# KiCad board sswkbd_left.kicad_pcb
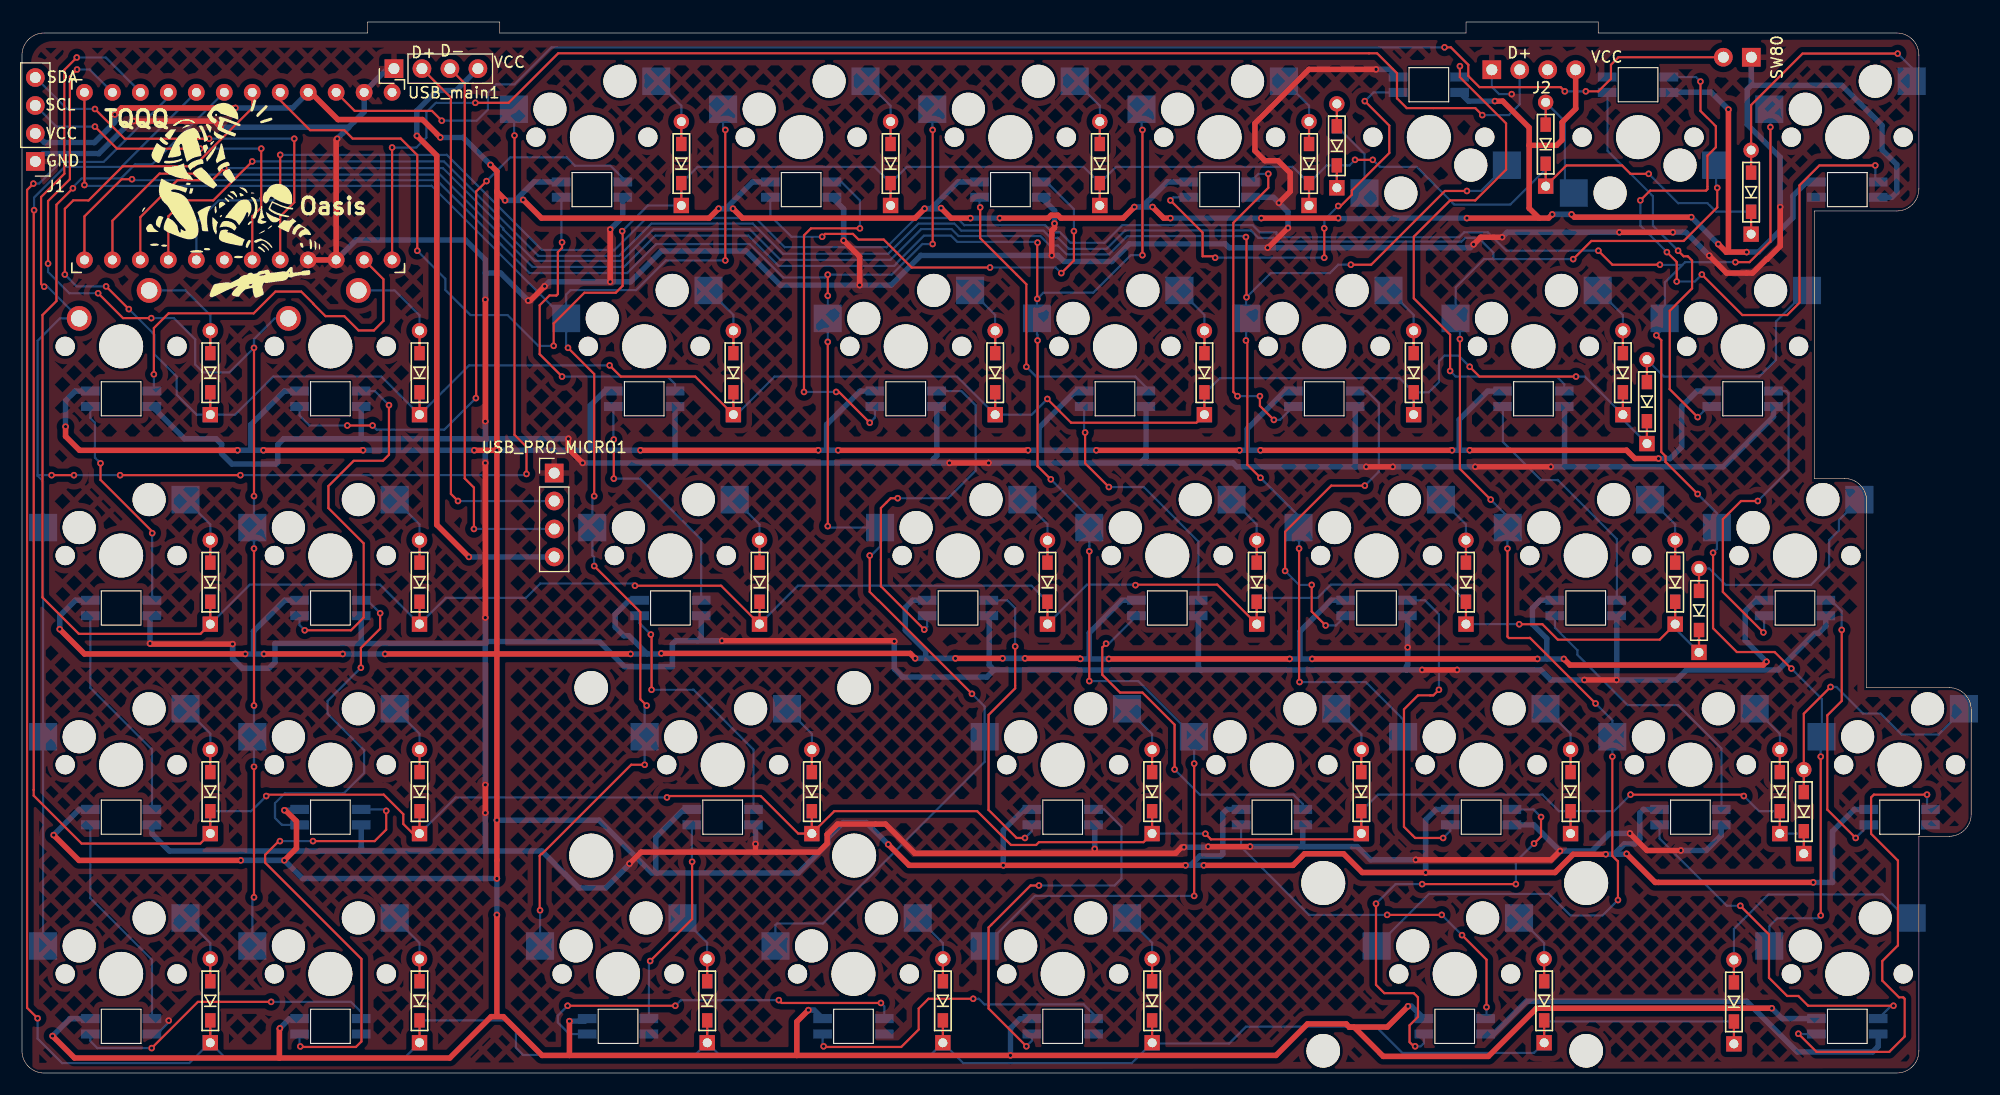
[diagram p0: board, top side]
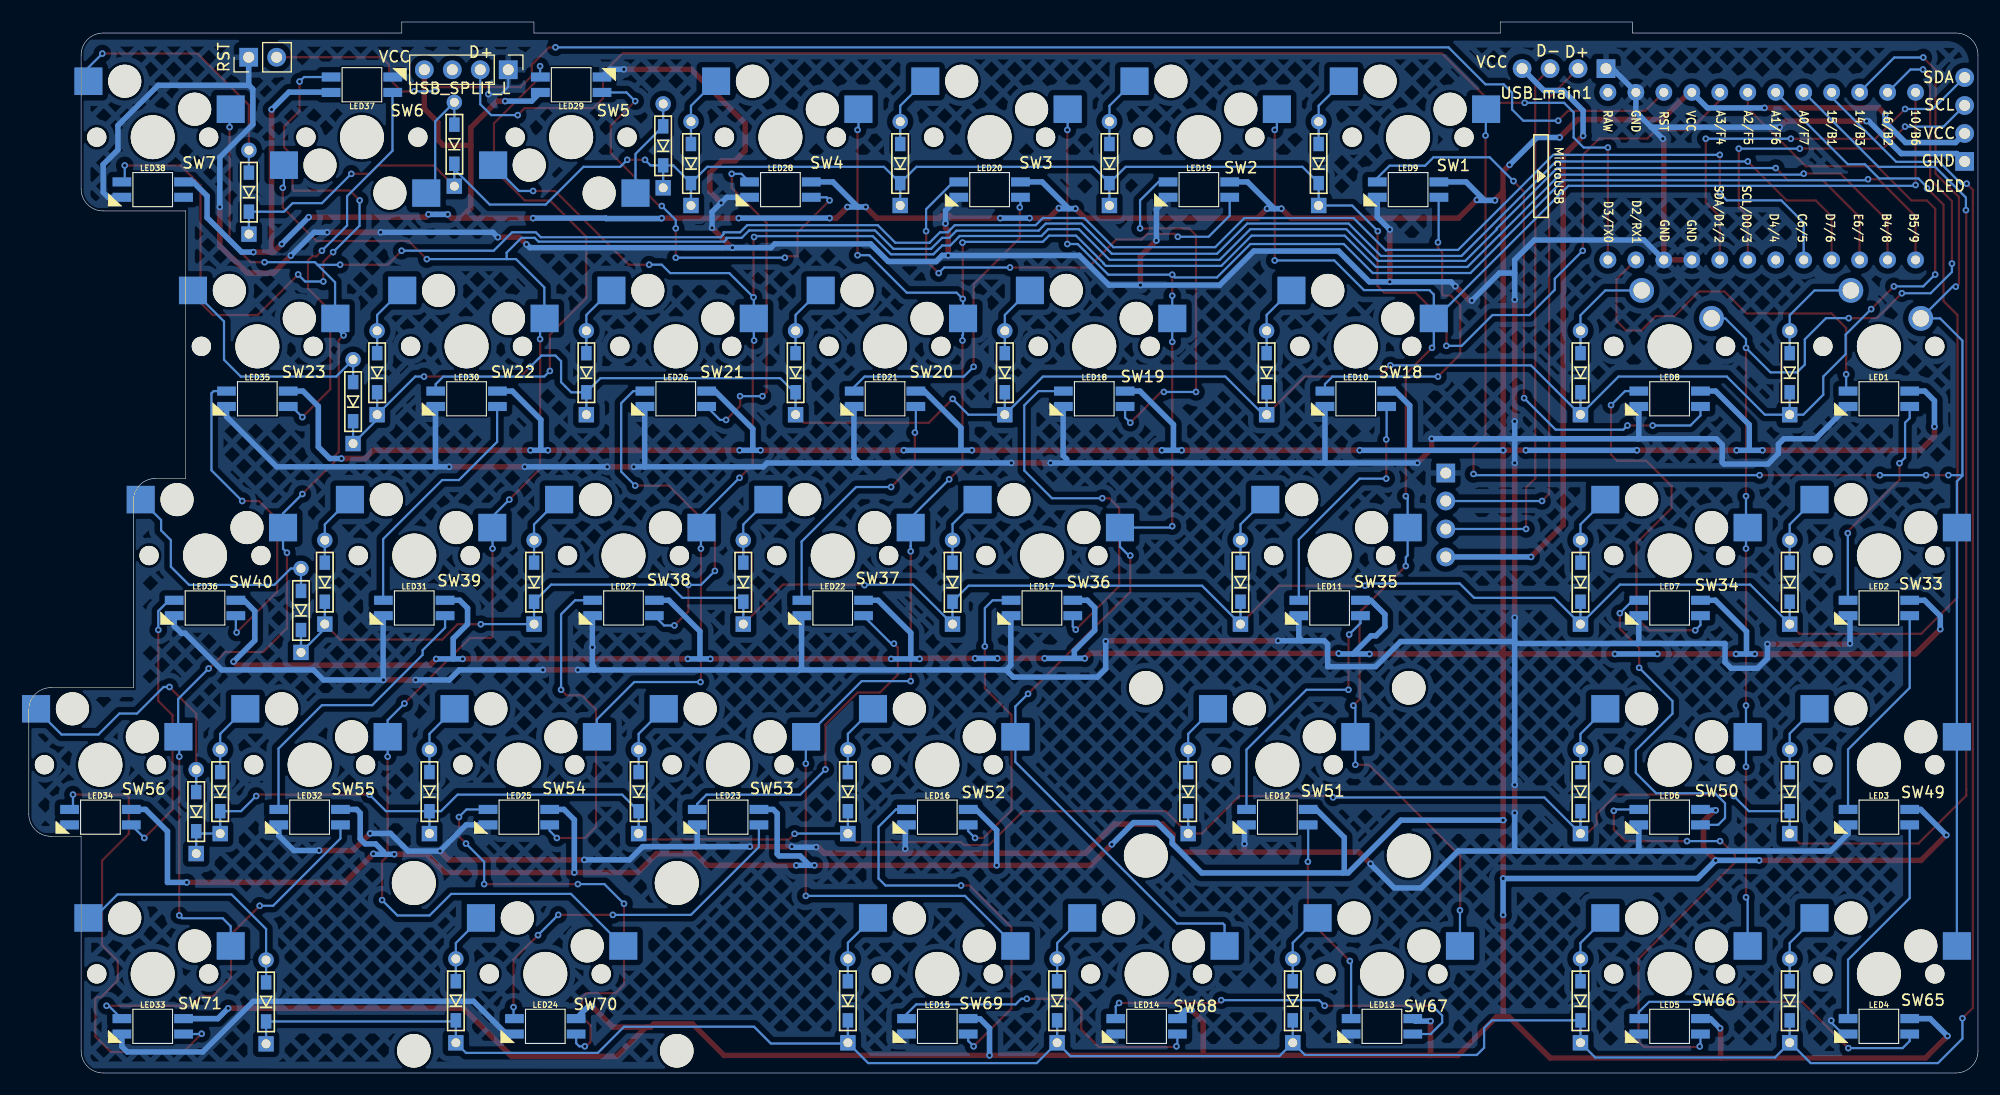
[diagram p1: board, bottom side, seen from below]

Outline 177 x 95.46 mm; copper layers: Top, Bottom. Coordinates in mm from the lower left corner of the outline.
Outline path: 0,92.46 arc(0.59,93.87) 2,94.46 31.38,94.46 31.38,95.46 43.38,95.46 43.38,94.46 131.13,94.46 131.13,95.46 143.13,95.46 143.13,94.46 170.25,94.46 arc(171.66,93.87) 172.25,92.46 172.25,80.3 arc(171.66,78.89) 170.25,78.3 162.75,78.3 162.75,54 165.5,54 arc(166.91,53.41) 167.5,52 167.5,35 175,35 arc(176.41,34.41) 177,33 177,23.5 arc(176.41,22.09) 175,21.5 172.25,21.5 172.25,2 arc(171.66,0.59) 170.25,0 2,0 arc(0.59,0.59) 0,2 0,92.46
Stack: Top 0.035mm / dielectric 1.51mm FR4 er 4.5 / Bottom 0.035mm

## Placement (name value [footprint] x y rotation side)
D1  1N4148WT  [D3_TH_SMD]  59.87 82.61 90 top
D2  1N4148WT  [D3_TH_SMD]  78.87 82.61 90 top
D3  1N4148WT  [D3_TH_SMD]  97.87 82.61 90 top
D4  1N4148WT  [D3_TH_SMD]  116.87 82.61 90 top
D5  1N4148WT  [D3_TH_SMD]  119.4 84.21 90 top
D6  1N4148WT  [D3_TH_SMD]  138.36 84.36 90 top
D7  1N4148WT  [D3_TH_SMD]  157.01 80 90 top
D16  1N4148WT  [D3_TH_SMD]  17.1 63.61 90 top
D17  1N4148WT  [D3_TH_SMD]  36.1 63.61 90 top
D18  1N4148WT  [D3_TH_SMD]  64.6 63.61 90 top
D19  1N4148WT  [D3_TH_SMD]  88.37 63.61 90 top
D20  1N4148WT  [D3_TH_SMD]  107.37 63.61 90 top
D21  1N4148WT  [D3_TH_SMD]  126.37 63.61 90 top
D22  1N4148WT  [D3_TH_SMD]  145.37 63.61 90 top
D23  1N4148WT  [D3_TH_SMD]  147.55 60.98 90 top
D33  1N4148WT  [D3_TH_SMD]  17.1 44.58 90 top
D34  1N4148WT  [D3_TH_SMD]  36.1 44.58 90 top
D35  1N4148WT  [D3_TH_SMD]  66.97 44.58 90 top
D36  1N4148WT  [D3_TH_SMD]  93.12 44.58 90 top
D37  1N4148WT  [D3_TH_SMD]  112.12 44.58 90 top
D38  1N4148WT  [D3_TH_SMD]  131.12 44.58 90 top
D39  1N4148WT  [D3_TH_SMD]  150.12 44.58 90 top
D40  1N4148WT  [D3_TH_SMD]  152.28 42.01 90 top
D49  1N4148WT  [D3_TH_SMD]  17.1 25.56 90 top
D50  1N4148WT  [D3_TH_SMD]  36.1 25.56 90 top
D51  1N4148WT  [D3_TH_SMD]  71.72 25.56 90 top
D52  1N4148WT  [D3_TH_SMD]  102.62 25.56 90 top
D53  1N4148WT  [D3_TH_SMD]  121.62 25.56 90 top
D54  1N4148WT  [D3_TH_SMD]  140.62 25.56 90 top
D55  1N4148WT  [D3_TH_SMD]  159.62 25.56 90 top
D56  1N4148WT  [D3_TH_SMD]  161.8 23.74 90 top
D65  1N4148WT  [D3_TH_SMD]  17.1 6.56 90 top
D66  1N4148WT  [D3_TH_SMD]  36.1 6.56 90 bottom
D67  1N4148WT  [D3_TH_SMD]  62.22 6.56 90 top
D68  1N4148WT  [D3_TH_SMD]  83.62 6.56 90 top
D69  1N4148WT  [D3_TH_SMD]  102.62 6.56 90 top
D70  1N4148WT  [D3_TH_SMD]  138.22 6.56 90 top
D71  1N4148WT  [D3_TH_SMD]  155.45 6.45 90 top
J1  Conn_01x04_Socket  [PinHeader_1x04_P2.54mm_Vertical]  1.21 82.8 180 top
J2  USB_SPLIT  [PinHeader_1x04_P2.54mm_Vertical]  133.47 91.12 90 top
LED1  YS-SK6812MINI-E  [SK6812MINI-E]  9 61.24 180 bottom
LED2  YS-SK6812MINI-E  [SK6812MINI-E]  9 42.24 180 bottom
LED3  YS-SK6812MINI-E  [SK6812MINI-E]  9 23.24 180 bottom
LED4  YS-SK6812MINI-E  [SK6812MINI-E]  9 4.24 180 bottom
LED5  YS-SK6812MINI-E  [SK6812MINI-E]  28 4.24 180 bottom
LED6  YS-SK6812MINI-E  [SK6812MINI-E]  28 23.24 180 bottom
LED7  YS-SK6812MINI-E  [SK6812MINI-E]  28 42.24 180 bottom
LED8  YS-SK6812MINI-E  [SK6812MINI-E]  28 61.24 180 bottom
LED9  YS-SK6812MINI-E  [SK6812MINI-E]  51.75 80.24 180 bottom
LED10  YS-SK6812MINI-E  [SK6812MINI-E]  56.5 61.24 180 bottom
LED11  YS-SK6812MINI-E  [SK6812MINI-E]  58.88 42.24 180 bottom
LED12  YS-SK6812MINI-E  [SK6812MINI-E]  63.63 23.24 180 bottom
LED13  YS-SK6812MINI-E  [SK6812MINI-E]  54.13 4.24 180 bottom
LED14  YS-SK6812MINI-E  [SK6812MINI-E]  75.5 4.24 180 bottom
LED15  YS-SK6812MINI-E  [SK6812MINI-E]  94.5 4.24 180 bottom
LED16  YS-SK6812MINI-E  [SK6812MINI-E]  94.5 23.24 180 bottom
LED17  YS-SK6812MINI-E  [SK6812MINI-E]  85 42.24 180 bottom
LED18  YS-SK6812MINI-E  [SK6812MINI-E]  80.25 61.24 180 bottom
LED19  YS-SK6812MINI-E  [SK6812MINI-E]  70.75 80.24 180 bottom
LED20  YS-SK6812MINI-E  [SK6812MINI-E]  89.75 80.24 180 bottom
LED21  YS-SK6812MINI-E  [SK6812MINI-E]  99.25 61.24 180 bottom
LED22  YS-SK6812MINI-E  [SK6812MINI-E]  104 42.24 180 bottom
LED23  YS-SK6812MINI-E  [SK6812MINI-E]  113.5 23.24 180 bottom
LED24  YS-SK6812MINI-E  [SK6812MINI-E]  130.1 4.24 180 bottom
LED25  YS-SK6812MINI-E  [SK6812MINI-E]  132.5 23.24 180 bottom
LED26  YS-SK6812MINI-E  [SK6812MINI-E]  118.25 61.24 180 bottom
LED27  YS-SK6812MINI-E  [SK6812MINI-E]  123 42.24 180 bottom
LED28  YS-SK6812MINI-E  [SK6812MINI-E]  108.75 80.24 180 bottom
LED29  YS-SK6812MINI-E  [SK6812MINI-E]  127.75 89.76 0 bottom
LED30  YS-SK6812MINI-E  [SK6812MINI-E]  137.25 61.24 180 bottom
LED31  YS-SK6812MINI-E  [SK6812MINI-E]  142 42.24 180 bottom
LED32  YS-SK6812MINI-E  [SK6812MINI-E]  151.5 23.24 180 bottom
LED33  YS-SK6812MINI-E  [SK6812MINI-E]  165.75 4.24 180 bottom
LED34  YS-SK6812MINI-E  [SK6812MINI-E]  170.5 23.24 180 bottom
LED35  YS-SK6812MINI-E  [SK6812MINI-E]  156.25 61.24 180 bottom
LED36  YS-SK6812MINI-E  [SK6812MINI-E]  161 42.24 180 bottom
LED37  YS-SK6812MINI-E  [SK6812MINI-E]  146.75 89.76 0 bottom
LED38  YS-SK6812MINI-E  [SK6812MINI-E]  165.75 80.24 180 bottom
SW1  SW_PUSH  [MXOnly-1U-Hotswap]  51.75 85 0 top
SW2  SW_PUSH  [MXOnly-1U-Hotswap]  70.75 85 0 top
SW3  SW_PUSH  [MXOnly-1U-Hotswap]  89.75 85 0 top
SW4  SW_PUSH  [MXOnly-1U-Hotswap]  108.75 85 0 top
SW5  SW_PUSH  [MXOnly-1U-Hotswap]  127.75 85 180 top
SW6  SW_PUSH  [MXOnly-1U-Hotswap]  146.75 85 180 top
SW7  SW_PUSH  [MXOnly-1U-Hotswap]  165.75 85 0 top
SW16  SW_PUSH  [MXOnly-1U-NoLED]  9 66 0 top
SW17  SW_PUSH  [MXOnly-1U-NoLED]  28 66 0 top
SW18  SW_PUSH  [MXOnly-1.5U-Hotswap]  56.5 66 0 top
SW19  SW_PUSH  [MXOnly-1U-Hotswap]  80.25 66 0 top
SW20  SW_PUSH  [MXOnly-1U-Hotswap]  99.25 66 0 top
SW21  SW_PUSH  [MXOnly-1U-Hotswap]  118.25 66 0 top
SW22  SW_PUSH  [MXOnly-1U-Hotswap]  137.25 66 0 top
SW23  SW_PUSH  [MXOnly-1U-Hotswap]  156.25 66 0 top
SW33  SW_PUSH  [MXOnly-1U-Hotswap]  9 47 0 top
SW34  SW_PUSH  [MXOnly-1U-Hotswap]  28 47 0 top
SW35  SW_PUSH  [MXOnly-1.75U-Hotswap]  58.88 47 0 top
SW36  SW_PUSH  [MXOnly-1U-Hotswap]  85 47 0 top
SW37  SW_PUSH  [MXOnly-1U-Hotswap]  104 47 0 top
SW38  SW_PUSH  [MXOnly-1U-Hotswap]  123 47 0 top
SW39  SW_PUSH  [MXOnly-1U-Hotswap]  142 47 0 top
SW40  SW_PUSH  [MXOnly-1U-Hotswap]  161 47 0 top
SW49  SW_PUSH  [MXOnly-1U-Hotswap]  9 28 0 top
SW50  SW_PUSH  [MXOnly-1U-Hotswap]  28 28 0 top
SW51  SW_PUSH  [MXOnly-2.25U-Hotswap]  63.63 28 0 top
SW52  SW_PUSH  [MXOnly-1U-Hotswap]  94.5 28 0 top
SW53  SW_PUSH  [MXOnly-1U-Hotswap]  113.5 28 0 top
SW54  SW_PUSH  [MXOnly-1U-Hotswap]  132.5 28 0 top
SW55  SW_PUSH  [MXOnly-1U-Hotswap]  151.5 28 0 top
SW56  SW_PUSH  [MXOnly-1U-Hotswap]  170.5 28 0 top
SW65  SW_PUSH  [MXOnly-1U-Hotswap]  9 9 0 top
SW66  SW_PUSH  [MXOnly-1U-Hotswap]  28 9 0 top
SW67  SW_PUSH  [MXOnly-1U-Hotswap]  54.13 9 0 top
SW68  SW_PUSH  [MXOnly-1U-Hotswap]  75.5 9 0 top
SW69  SW_PUSH  [MXOnly-1U-Hotswap]  94.5 9 0 top
SW70  SW_PUSH  [MXOnly-2.75U-Hotswap-ReversedStabilizers]  130.1 9 0 top
SW71  SW_PUSH  [MXOnly-1U-Hotswap]  165.75 9 0 top
SW80  SW_Push  [PinHeader_1x02_P2.54mm_Vertical]  157.03 92.26 270 top
TQQQ  -  [LOGO]  18.81 80.83 0 top
U1  -  [ProMicro]  19.13 81.46 270 top
USB_main1  Conn_01x04_Socket  [PinHeader_1x04_P2.54mm_Vertical]  33.78 91.22 90 top
USB_PRO_MICRO1  Conn_01x04_Socket  [PinHeader_1x04_P2.54mm_Vertical]  48.33 54.49 0 top

## Library data of the parts
D1-D7 D16-D23 D33-D40 D49-D56 D65-D71 = -: Datasheet: https://www.diodes.com/assets/Datasheets/ds30396.pdf; Description: 75V 0.15A Fast switching Diode, SOD-523; Sim.Device: D; Sim.Pins: 1=K 2=A; ki_fp_filters: D*SOD?523*
J1 J2 USB_main1 USB_PRO_MICRO1 = -: Description: Generic connector, single row, 01x04, script generated; ki_fp_filters: Connector*:*_1x??_*
SW80 = -: Description: Push button switch, generic, two pins

## Footprints (pads in the part's own frame, mm; a bottom-side part is the same pattern mirrored in y, then rotated)
D3_TH_SMD
  rect 1.397x1.397 hole 0.813: 1(-3.81,0)
  rect 1.3x0.95 smd: 1(-1.775,0) 2(1.775,0)
  rect 1.3x0.95 smd far side: 1(-1.775,0) 2(1.775,0)
  round 1.397 hole 0.813: 2(3.81,0)
MXOnly-1.5U-Hotswap
  round 1.75 hole 1.75 unplated: (-5.08,0) (5.08,0)
  round 3 hole 3 unplated: (-3.81,2.54) (2.54,5.08)
  round 3.988 hole 3.988 unplated: (0,0)
  rect 2.55x2.5 smd far side: 1(-7.085,2.54) 2(5.842,5.08)
MXOnly-1.75U-Hotswap
  round 1.75 hole 1.75 unplated: (-5.08,0) (5.08,0)
  round 3 hole 3 unplated: (-3.81,2.54) (2.54,5.08)
  round 3.988 hole 3.988 unplated: (0,0)
  rect 2.55x2.5 smd far side: 1(-7.085,2.54) 2(5.842,5.08)
MXOnly-1U-Hotswap
  round 1.75 hole 1.75 unplated: (-5.08,0) (5.08,0)
  round 3 hole 3 unplated: (-3.81,2.54) (2.54,5.08)
  round 3.988 hole 3.988 unplated: (0,0)
  rect 2.55x2.5 smd far side: 1(-7.085,2.54) 2(5.842,5.08)
MXOnly-1U-NoLED
  round 1.75 hole 1.75 unplated: (-5.08,0) (5.08,0)
  round 3.988 hole 3.988 unplated: (0,0)
  round 2.25 hole 1.5: 1(-3.81,2.54) 2(2.54,5.08)
MXOnly-2.25U-Hotswap
  round 3.048 hole 3.048 unplated: (-11.938,6.985) (11.938,6.985)
  round 3.988 hole 3.988 unplated: (-11.938,-8.255) (0,0) (11.938,-8.255)
  round 1.75 hole 1.75 unplated: (-5.08,0) (5.08,0)
  round 3 hole 3 unplated: (-3.81,2.54) (2.54,5.08)
  rect 2.55x2.5 smd far side: 1(-7.085,2.54) 2(5.842,5.08)
MXOnly-2.75U-Hotswap-ReversedStabilizers
  round 3.988 hole 3.988 unplated: (-11.938,8.255) (0,0) (11.938,8.255)
  round 3.048 hole 3.048 unplated: (-11.938,-6.985) (11.938,-6.985)
  round 1.75 hole 1.75 unplated: (-5.08,0) (5.08,0)
  round 3 hole 3 unplated: (-3.81,2.54) (2.54,5.08)
  rect 2.55x2.5 smd far side: 1(-7.085,2.54) 2(5.842,5.08)
PinHeader_1x02_P2.54mm_Vertical
  rect 1.7x1.7 hole 1: 1(0,0)
  oval 1.7x1.7 hole 1: 2(0,-2.54)
PinHeader_1x04_P2.54mm_Vertical
  rect 1.7x1.7 hole 1: 1(0,0)
  oval 1.7x1.7 hole 1: 2(0,-2.54) 3(0,-5.08) 4(0,-7.62)
ProMicro
  round 1.524 hole 0.813: 1(7.611,14.478) 2(7.611,11.938) 3(7.611,9.398) 4(7.611,6.858) 5(7.611,4.318) 6(7.611,1.778) 7(7.611,-0.762) 8(7.611,-3.302) 9(7.611,-5.842) 10(7.611,-8.382) 11(7.611,-10.922) 12(7.611,-13.462) 13(-7.609,-13.462) 14(-7.609,-10.922) 15(-7.609,-8.382) 16(-7.609,-5.842) 17(-7.609,-3.302) 18(-7.609,-0.762) 19(-7.609,1.778) 20(-7.609,4.318) 21(-7.609,6.858) 22(-7.609,9.398) 23(-7.609,11.938) 24(-7.609,14.478)
SK6812MINI-E
  rect 1.7x0.825 smd: 1(2.8,0.7) 2(2.8,-0.7) 3(-2.8,-0.7) 4(-2.8,0.7)

## Nets
GND: J1.1 J2.1 LED1.3 LED2.3 LED3.3 LED4.3 LED5.3 LED6.3 LED7.3 LED8.3 LED9.3 LED10.3 LED11.3 LED12.3 LED13.3 LED14.3 LED15.3 LED16.3 LED17.3 LED18.3 LED19.3 LED20.3 LED21.3 LED22.3 LED23.3 LED24.3 LED25.3 LED26.3 LED27.3 LED28.3 LED29.3 LED30.3 LED31.3 LED32.3 LED33.3 LED34.3 LED35.3 LED36.3 LED37.3 LED38.3 SW80.1 U1.3 U1.4 U1.23 USB_main1.1 USB_PRO_MICRO1.1
VCC: J1.2 J2.4 LED1.1 LED2.1 LED3.1 LED4.1 LED5.1 LED6.1 LED7.1 LED8.1 LED9.1 LED10.1 LED11.1 LED12.1 LED13.1 LED14.1 LED15.1 LED16.1 LED17.1 LED18.1 LED19.1 LED20.1 LED21.1 LED22.1 LED23.1 LED24.1 LED25.1 LED26.1 LED27.1 LED28.1 LED29.1 LED30.1 LED31.1 LED32.1 LED33.1 LED34.1 LED35.1 LED36.1 LED37.1 LED38.1 U1.21
col0: SW1.1 SW16.1 SW33.1 SW49.1 SW65.1 U1.15
col1: SW17.1 SW34.1 SW50.1 SW66.1 U1.14
col2: SW2.1 SW18.1 SW35.1 SW51.1 SW67.1 U1.13
col3: SW3.1 SW19.1 SW36.1 SW52.1 SW68.1 U1.12
col4: SW4.1 SW20.1 SW37.1 SW53.1 SW69.1 U1.11
col5: SW5.1 SW21.1 SW38.1 SW54.1 U1.10
col6: SW6.1 SW22.1 SW39.1 SW55.1 SW70.1 U1.9
col7: SW7.1 SW23.1 SW40.1 SW56.1 SW71.1 U1.8
col8: U1.7
LED_L: LED1.4 U1.2
OLED_SCL: J1.3 U1.6
OLED_SDA: J1.4 U1.5
row0: D1.1 D2.1 D3.1 D4.1 D5.1 D6.1 D7.1 U1.20
row1: D16.1 D17.1 D18.1 D19.1 D20.1 D21.1 D22.1 D23.1 U1.19
row2: D33.1 D34.1 D35.1 D36.1 D37.1 D38.1 D39.1 D40.1 U1.18
row3: D49.1 D50.1 D51.1 D52.1 D53.1 D54.1 D55.1 D56.1 U1.17
row4: D65.1 D66.1 D67.1 D68.1 D69.1 D70.1 D71.1 U1.16
RST: SW80.2 U1.22
SPLIT_L: J2.2 U1.1
USB_D+: USB_main1.2 USB_PRO_MICRO1.2
USB_D-: USB_main1.3 USB_PRO_MICRO1.3
USB_VCC: USB_main1.4 USB_PRO_MICRO1.4
Net-(D1-A): D1.2 SW1.2
Net-(D2-A): D2.2 SW2.2
Net-(D3-A): D3.2 SW3.2
Net-(D4-A): D4.2 SW4.2
Net-(D5-A): D5.2 SW5.2
Net-(D6-A): D6.2 SW6.2
Net-(D7-A): D7.2 SW7.2
Net-(D16-A): D16.2 SW16.2
Net-(D17-A): D17.2 SW17.2
Net-(D18-A): D18.2 SW18.2
Net-(D19-A): D19.2 SW19.2
Net-(D20-A): D20.2 SW20.2
Net-(D21-A): D21.2 SW21.2
Net-(D22-A): D22.2 SW22.2
Net-(D23-A): D23.2 SW23.2
Net-(D33-A): D33.2 SW33.2
Net-(D34-A): D34.2 SW34.2
Net-(D35-A): D35.2 SW35.2
Net-(D36-A): D36.2 SW36.2
Net-(D37-A): D37.2 SW37.2
Net-(D38-A): D38.2 SW38.2
Net-(D39-A): D39.2 SW39.2
Net-(D40-A): D40.2 SW40.2
Net-(D49-A): D49.2 SW49.2
Net-(D50-A): D50.2 SW50.2
Net-(D51-A): D51.2 SW51.2
Net-(D52-A): D52.2 SW52.2
Net-(D53-A): D53.2 SW53.2
Net-(D54-A): D54.2 SW54.2
Net-(D55-A): D55.2 SW55.2
Net-(D56-A): D56.2 SW56.2
Net-(D65-A): D65.2 SW65.2
Net-(D66-A): D66.2 SW66.2
Net-(D67-A): D67.2 SW67.2
Net-(D68-A): D68.2 SW68.2
Net-(D69-A): D69.2 SW69.2
Net-(D70-A): D70.2 SW70.2
Net-(D71-A): D71.2 SW71.2
Net-(LED1-DOUT): LED1.2 LED2.4
Net-(LED2-DOUT): LED2.2 LED3.4
Net-(LED3-DOUT): LED3.2 LED4.4
Net-(LED4-DOUT): LED4.2 LED5.4
Net-(LED5-DOUT): LED5.2 LED6.4
Net-(LED6-DOUT): LED6.2 LED7.4
Net-(LED7-DOUT): LED7.2 LED8.4
Net-(LED8-DOUT): LED8.2 LED9.4
Net-(LED10-DIN): LED9.2 LED10.4
Net-(LED10-DOUT): LED10.2 LED11.4
Net-(LED11-DOUT): LED11.2 LED12.4
Net-(LED12-DOUT): LED12.2 LED13.4
Net-(LED13-DOUT): LED13.2 LED14.4
Net-(LED14-DOUT): LED14.2 LED15.4
Net-(LED15-DOUT): LED15.2 LED16.4
Net-(LED16-DOUT): LED16.2 LED17.4
Net-(LED17-DOUT): LED17.2 LED18.4
Net-(LED18-DOUT): LED18.2 LED19.4
Net-(LED19-DOUT): LED19.2 LED20.4
Net-(LED20-DOUT): LED20.2 LED21.4
Net-(LED21-DOUT): LED21.2 LED22.4
Net-(LED22-DOUT): LED22.2 LED23.4
Net-(LED23-DOUT): LED23.2 LED24.4
Net-(LED24-DOUT): LED24.2 LED25.4
Net-(LED25-DOUT): LED25.2 LED27.4
Net-(LED26-DIN): LED26.4 LED27.2
Net-(LED26-DOUT): LED26.2 LED28.4
Net-(LED28-DOUT): LED28.2 LED29.4
Net-(LED29-DOUT): LED29.2 LED30.4
Net-(LED30-DOUT): LED30.2 LED31.4
Net-(LED31-DOUT): LED31.2 LED32.4
Net-(LED32-DOUT): LED32.2 LED33.4
Net-(LED33-DOUT): LED33.2 LED34.4
Net-(LED34-DOUT): LED34.2 LED36.4
Net-(LED35-DIN): LED35.4 LED36.2
Net-(LED35-DOUT): LED35.2 LED37.4
Net-(LED37-DOUT): LED37.2 LED38.4

Pads without a net: J2 3; LED38 2; U1 24

## Via types
v1: diameter 0.6, hole 0.3, Top to Bottom, 353 vias

## Routing (per net, layer and track width the routed paths; a pad name or vN(x,y) marks a point on that pad's centre or on a via; arc(x,y) is an arc through that point)
GND: length 939.6
  Top w0.2: 28.53,73.85 28.53,74.08
  Top w0.5: v1(49.61,57.61) 49.61,56.71 v1(50.91,55.41) ; 139.71,20.21 v1(139.66,20.16) 138.86,19.36 v1(126.56,19.36) ; v1(47.46,71.46) 46.16,70.16 v1(45.96,70.16) ; v1(42.07,55.41) v1(42.07,41.36) ; v1(93.51,74.26) 93.51,76.51 93.76,76.76 v1(93.76,77.16) ; v1(63.56,39.26) 79.16,39.26 v1(79.21,39.21) ; 66.61,20.06 72.33,20.06 73.11,20.84 73.11,21.66 74.06,22.61 78.41,22.61 81.06,19.96 97.41,19.96 ; 66.61,20.06 56.21,20.06 v1(55.16,19.01) ; 66.61,20.06 v1(66.61,20.81) ; v1(76.06,71.56) 76.06,74.16 v1(74.6,75.61) ; v1(107.71,20.56) v1(111.52,20.56) ; v1(138.83,55.06) v1(131.97,55.06) ; v1(124.48,55.06) v1(122.06,55.06) ; v1(42.07,23.63) v1(42.07,26.17) ; v1(130.32,36.61) v1(127.14,36.61) ; v1(10.12,86.46) 17.46,86.46 v1(18.01,85.91) ; 97.41,19.96 v1(97.41,20.36) ; 97.41,19.96 104.76,19.96 105.31,20.51 v1(105.51,20.51) ; v1(42.07,59.19) v1(42.07,70.24) ; v1(53.41,71.86) v1(53.41,76.61) ; v1(134.41,75.91) 132.46,75.91 v1(131.81,75.26) ; v1(114.96,76.76) 113.16,74.96 v1(113.11,74.96) ; v1(153.21,74.24) 154.79,72.66 157.16,72.66 158.41,73.91 158.46,73.91 159.66,75.11 v1(159.66,78.66) ; v1(122.96,91.16) 116.86,91.16 111.96,86.26 111.96,83.76 112.86,82.86 114.06,82.86 115.16,81.76 115.16,80.06 v1(114.13,79.03) ; v1(145.05,76.36) v1(149.91,76.36) ; v1(141.88,35.7) v1(144.8,35.7) ; v1(150.64,20.21) 147.56,20.21 v1(146.01,21.76) ; v1(19.12,38.96) 11.67,38.96 v1(11.62,39.01) ; v1(28.62,84.86) 28.53,84.76 28.53,73.85 U1.4 ; v1(87.77,55.41) v1(84.22,55.41)
  Bottom w0.2: v1(135.27,88.91) 134.13,88.91 133.47,89.57 J2.1 ; 144.83,35.73 v1(144.8,35.7) ; 11.8,3.51 11.83,3.54 12.26,3.54 13.32,4.6 v1(13.32,4.76)
  Bottom w0.5: 29.67,85.91 31.07,87.3 31.07,89.1 33.19,91.22 USB_main1.1 ; 29.67,85.91 v1(18.01,85.91) ; 29.67,85.91 v1(28.62,84.86) ; v1(122.96,91.16) 124.25,91.16 LED29.3 ; 82.76,55.41 v1(84.22,55.41) ; 82.76,55.41 59.26,55.41 ; 82.76,55.41 82.76,55.76 83.07,56.08 83.07,60.51 LED18.3 ; v1(42.07,23.63) 42.07,20.36 41.87,20.16 30.82,20.16 ; LED6.3 30.8,20.53 30.82,20.51 30.82,20.16 ; v1(63.56,39.26) 61.36,39.26 ; 61.36,39.26 59.36,39.26 59.06,38.96 59.06,36.91 54.71,36.91 52.43,39.18 42.23,39.18 42.06,39.01 30.97,39.01 ; 61.36,39.26 61.68,39.58 LED11.3 ; v1(150.64,20.21) 152.94,20.21 154.3,21.57 LED32.3 ; v1(19.12,38.96) 19.12,37.66 20.02,36.76 22.42,36.76 22.97,37.31 22.97,39.01 30.97,39.01 ; v1(42.07,41.36) v1(42.07,26.17) ; v1(138.83,55.06) 140.06,55.06 ; 140.06,55.06 154.48,55.06 159.05,59.63 LED35.3 ; 140.06,55.06 140.08,55.08 140.08,60.51 LED30.3 ; v1(93.76,77.16) 93.76,78.33 LED20.3 ; LED33.3 168.55,2.4 168.06,1.91 161.21,1.91 156.61,6.51 136.61,6.51 133.64,3.54 LED24.3 ; v1(113.11,74.96) 113.01,74.96 ; v1(113.11,74.96) 109.61,74.96 109.26,75.31 100.56,75.31 98.96,73.71 94.61,73.71 94.06,74.26 81.61,74.26 78.91,71.56 68.86,71.56 65.76,74.66 58.06,74.66 55.26,71.86 v1(53.41,71.86) 47.86,71.86 v1(47.46,71.46) ; v1(113.11,74.96) 131.51,74.96 v1(131.81,75.26) ; 88.26,36.61 87.82,37.04 87.82,41.51 LED17.3 ; 88.26,36.61 87.61,35.96 79.96,35.96 79.21,36.71 v1(79.21,39.21) ; 88.26,36.61 107.06,36.61 ; LED19.3 74.6,78.48 v1(74.6,75.61) ; v1(130.32,36.61) 137.91,36.61 138.83,35.7 v1(141.88,35.7) ; 116.41,20.56 121.26,20.56 122.46,19.36 v1(126.56,19.36) ; 116.41,20.56 116.3,20.67 LED23.3 ; 116.41,20.56 v1(111.52,20.56) ; v1(11.62,39.01) 11.62,41.36 LED2.3 ; LED10.3 59.3,55.45 59.26,55.41 ; v1(97.41,20.36) 97.41,22.43 LED16.3 ; LED3.3 11.8,21.73 13.37,20.16 30.82,20.16 ; v1(114.96,76.76) 114.96,78.21 v1(114.13,79.03) 113.63,79.54 LED28.3 ; v1(10.12,86.46) 9.92,86.46 6.97,83.51 1.92,83.51 J1.1 ; 121.06,55.06 v1(122.06,55.06) ; 121.06,55.06 121.08,55.08 121.08,60.51 LED26.3 ; 121.06,55.06 110.31,55.06 109.96,55.41 101.56,55.41 ; LED31.3 144.83,41.51 144.83,35.73 ; LED8.3 30.8,57.68 30.87,57.61 ; 125.71,36.61 125.71,36.91 125.83,37.03 v1(125.83,38.66) 125.83,41.51 LED27.3 ; 125.71,36.61 107.06,36.61 ; 125.71,36.61 v1(127.14,36.61) ; v1(145.05,76.36) 134.86,76.36 v1(134.41,75.91) ; 157.01,89.71 157.03,89.73 SW80.1 ; 157.01,89.71 165.26,89.71 168.91,86.06 168.91,83.85 170.25,82.51 170.25,79.99 169.79,79.54 LED38.3 ; 157.01,89.71 156.66,89.36 156.66,86.17 159.66,83.17 v1(159.66,78.66) ; v1(105.51,20.51) 107.66,20.51 v1(107.71,20.56) ; 59.26,55.41 v1(50.91,55.41) ; 42.07,57.61 v1(42.07,55.41) ; 42.07,57.61 v1(42.07,59.19) ; 42.07,57.61 30.87,57.61 ; v1(146.01,21.76) 144.16,21.76 142.56,20.16 v1(139.66,20.16) 137.28,22.54 LED25.3 ; 30.87,57.61 23.77,57.61 23.22,57.06 23.22,55.46 23.07,55.31 19.07,55.31 18.12,56.26 18.12,57.11 17.62,57.61 14.75,57.61 11.83,60.54 LED1.3 ; 107.06,36.61 106.83,36.84 106.83,41.51 LED22.3 ; 30.97,39.01 30.8,39.18 LED7.3 ; LED36.3 163.8,40.6 163.14,39.94 162.81,39.94 159.48,36.61 151.15,36.61 150.23,35.7 v1(144.8,35.7) ; LED12.3 66.61,22.35 v1(66.61,20.81) ; v1(124.48,55.06) v1(131.97,55.06) ; 42.07,72.66 42.07,73.86 40.27,75.66 30.33,75.66 28.53,73.85 ; 42.07,72.66 43.46,72.66 v1(45.96,70.16) ; 42.07,72.66 v1(42.07,70.24) ; v1(87.77,55.41) 101.56,55.41 ; 101.56,55.41 102.07,55.93 102.07,55.94 ; 42.01,57.61 v1(49.61,57.61) ; v1(53.41,76.61) 54.55,77.75 LED9.3 ; v1(149.91,76.36) 151.09,76.36 v1(153.21,74.24) ; v1(55.16,19.01) 55.16,18.96 53.01,16.81 50.56,16.81 47.21,20.16 41.81,20.16 ; 102.07,55.94 102.07,60.51 LED21.3 ; 102.07,55.94 102.06,55.93
VCC: length 1171
  Top w0.5: 23.37,1.36 23.37,4.01 v1(23.42,4.06) ; 23.37,1.36 4.77,1.36 v1(2.77,3.36) ; 23.37,1.36 38.84,1.36 42.6,5.12 43.7,5.12 47.22,1.6 49.71,1.6 ; 43.06,38.06 v1(55.26,38.06) ; 49.71,1.6 v1(49.71,4.71) ; 49.71,1.6 70.36,1.6 ; v1(43.12,56.56) 43.12,38.06 ; v1(43.12,56.56) v1(41.06,56.56) ; v1(43.12,56.56) 43.12,80.06 ; 43.12,38.06 v1(32.97,38.06) ; 43.12,38.06 v1(43.12,17.66) ; v1(102.66,78.66) 103.67,77.65 v1(104.28,77.65) ; v1(158.89,5.88) 137.53,5.88 133.16,1.51 123.61,1.51 120.96,4.16 120.54,4.16 ; 154.76,74.56 154.96,74.76 v1(154.96,87.51) ; 154.76,74.56 v1(156.61,74.56) ; 154.76,74.56 v1(154.03,75.29) ; v1(83.46,78.56) 84.37,77.65 v1(86.12,77.65) ; v1(30.97,56.56) v1(21.92,56.56) ; v1(88.79,77.65) 93.19,77.65 93.45,77.91 94.07,77.91 94.33,77.65 100,77.65 v1(101.01,78.66) ; v1(117.16,37.61) v1(137.61,37.61) ; v1(158.41,37.36) 158.1,37.05 140.57,37.05 v1(140.01,37.61) ; v1(23.82,23.86) 23.92,23.86 24.92,22.86 24.92,20.41 v1(23.82,19.31) ; v1(84.76,37.66) v1(89.04,37.66) ; v1(3.95,58.71) 3.95,57.83 5.22,56.56 v1(19.57,56.56) ; v1(131.21,77.65) 138.62,77.65 v1(138.96,77.99) ; J2.4 141.09,87.59 139.86,86.36 139.86,84.76 139.36,84.26 136.86,84.26 ; 25.99,89.1 U1.21 26.21,89.07 28.68,86.6 36.36,86.6 v1(37.99,84.97) ; v1(91.08,37.66) 96.06,37.66 v1(96.11,37.61) ; v1(20.27,38.06) 5.67,38.06 v1(3.42,40.31) ; 70.36,1.6 113.87,1.6 116.73,4.45 120.24,4.45 120.54,4.16 ; 70.36,1.6 70.36,4.66 v1(71.41,5.71) ; v1(107.31,18.86) 115.41,18.86 116.46,19.91 120.01,19.91 121.71,18.21 139.21,18.21 140.87,19.87 v1(143.82,19.87) ; v1(125.86,6.06) 123.97,4.17 120.55,4.17 120.54,4.16 ; v1(140.71,77.99) 140.96,77.73 v1(151.59,77.73) ; 136.86,84.26 136.86,78.55 137.76,77.65 ; 136.86,84.26 136.86,85.87 134.46,88.27 v1(133.75,88.27) ; v1(42.54,82.49) 43.13,81.89 43.13,80.07 43.12,80.06 ; v1(74.11,56.56) v1(91.36,56.56) ; v1(81.96,78.51) 81.1,77.65 65.42,77.65 v1(64.56,78.51) ; v1(19.38,87.66) 9.02,87.66 v1(8.42,87.06) ; v1(98.7,37.61) v1(115.11,37.61) ; v1(58.06,38.11) 80.66,38.11 v1(81.11,37.66) ; v1(29.12,38.06) v1(21.97,38.06) ; 43.12,80.06 43.92,79.26 ; v1(162.66,17.31) 148.31,17.31 v1(145.71,19.91) ; v1(105.66,18.86) v1(89.11,18.86) 80.56,18.86 v1(78.66,20.76) ; v1(112.46,56.56) v1(129.86,56.56) ; v1(63.26,78.51) 62.4,77.65 47.17,77.65 v1(45.51,79.31) ; v1(119.52,77.65) v1(112.54,77.65) ; v1(97.55,56.56) v1(110.56,56.56) ; v1(148.61,55.81) 146.46,55.81 145.71,56.56 v1(131.46,56.56) ; v1(56.15,56.56) v1(72.31,56.56) ; v1(19.87,19.31) 5.17,19.31 v1(2.87,21.61) ; v1(43.12,14.36) 43.12,5.18